# Altium PCB MODULE_4x100_Fx_V1.0.PcbDoc (part 2 of 3) (continued)
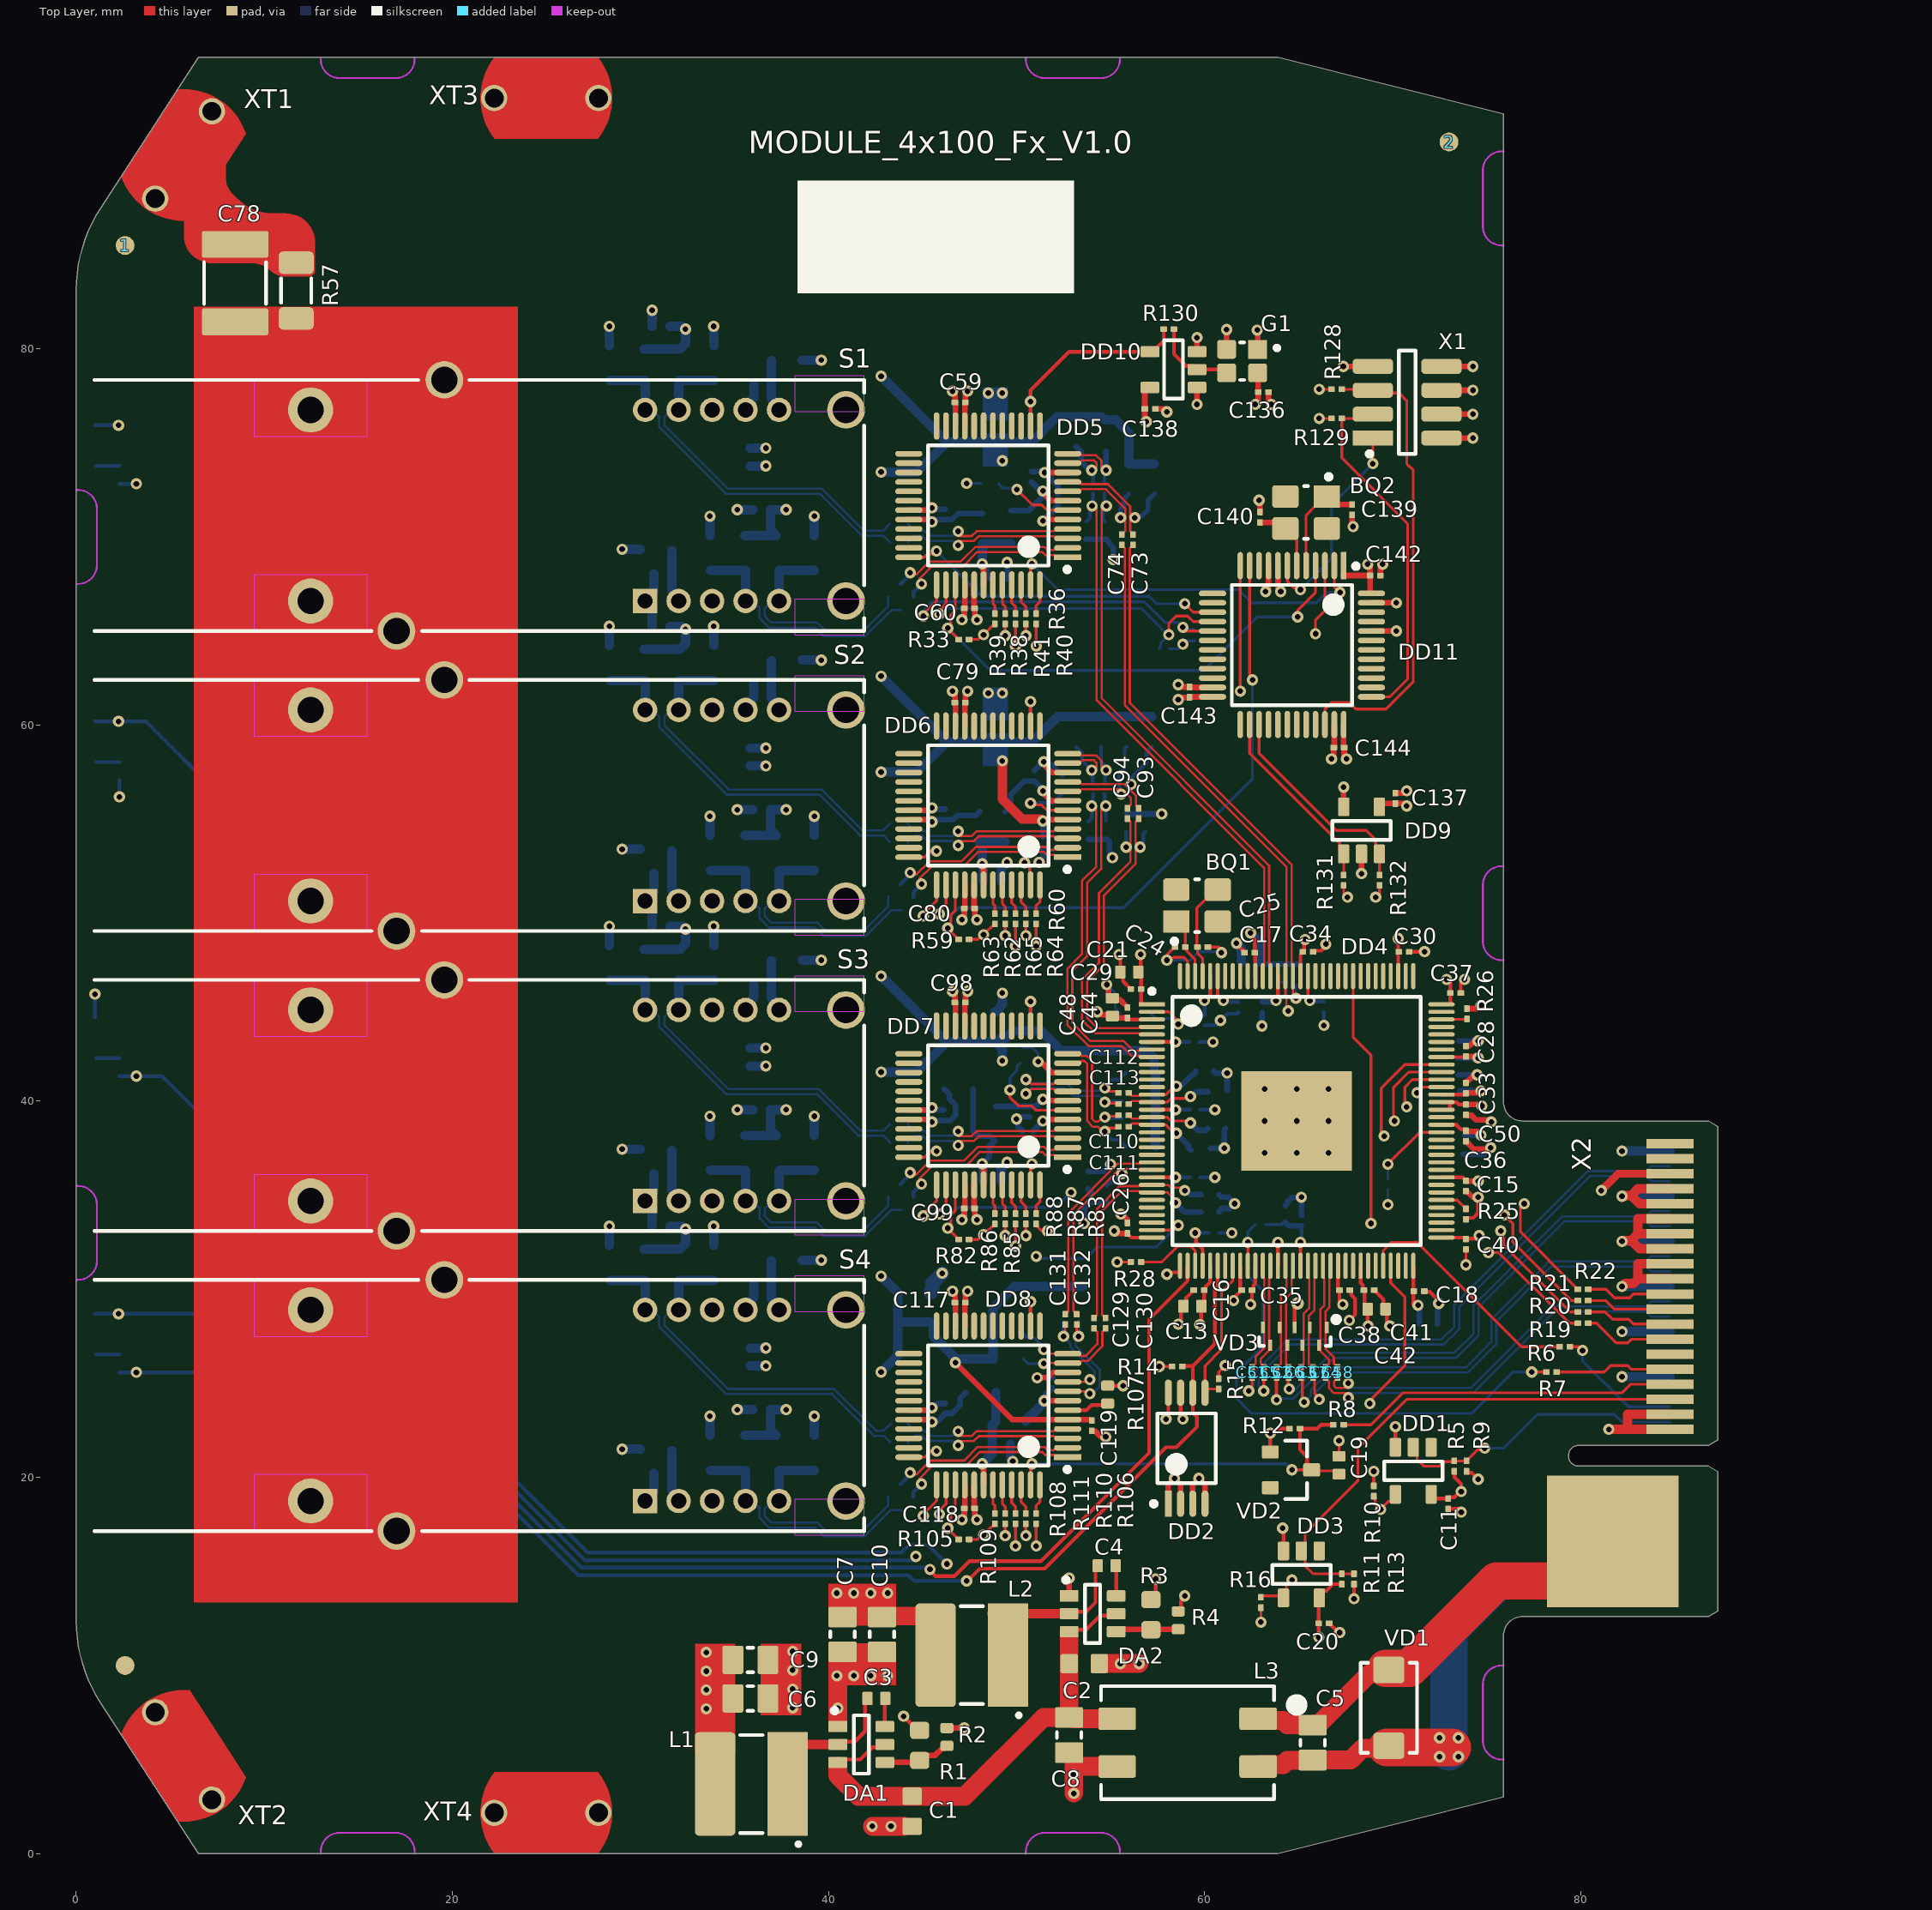
[diagram p0: Top Layer view]
## Nets (pads, with @x,y where several pads share a name; then routed paths per layer and width w, separated by ;. In a path a pad name is that pad's centre, name@x,y a point inside that pad or via, vN(x,y) a via of type N, cw(c..) or ccw(c..) an arc to the next point about the centre after c; other vN are vias at no path point) (continued)
  Top Layer w0.3: DD8.31@44.275,23.575 45.375,23.575 v1(45.5,23.7) ; DD7.31@44.275,39.525 45.375,39.525 v1(45.5,39.65) ; DD6.31@44.275,55.475 45.375,55.475 v1(45.5,55.6) ; DD5.31@44.275,71.425 45.375,71.425 v1(45.5,71.55) ; R2.2@46.3,6.675 v1(47.225,6.675) ; DD8.21@47.25,28.05 C117.1@47.25,29.3 ; DD7.21@47.25,44 C98.1@47.25,45.25 ; DD6.21@47.25,59.95 C79.1@47.25,61.2 ; DD5.21@47.25,75.9 C59.1@47.25,77.15 ; C117.1@47.275,29.3 47.275,29.725 v1@47.4,29.85 ; C98.1@47.275,45.25 47.275,45.675 v1@47.4,45.8 ; C79.1@47.275,61.2 47.275,61.625 v1@47.4,61.75 ; C59.1@47.275,77.15 47.275,77.575 v1@47.4,77.7 ; C118.1@47.75,18.425 DD8.41@47.75,19.6 ; C99.1@47.75,34.375 DD7.41@47.75,35.55 ; C80.1@47.75,50.325 DD6.41@47.75,51.5 ; C60.1@47.75,66.275 DD5.41@47.75,67.45 ; C118.1@47.75,18.35 C118.1@47.75,18.425 ; C99.1@47.75,34.3 C99.1@47.75,34.375 ; C80.1@47.75,50.25 C80.1@47.75,50.325 ; C60.1@47.75,66.2 C60.1@47.75,66.275 ; C118.1@47.775,18.35 47.775,17.925 v1@47.9,17.8 ; C99.1@47.775,34.3 47.775,33.875 v1@47.9,33.75 ; C80.1@47.775,50.25 47.775,49.825 v1@47.9,49.7 ; C60.1@47.775,66.2 47.775,65.775 v1@47.9,65.65 ; v1(51.1,25.3) 51.65,25.3 51.925,25.575 DD8.10@52.725,25.575 ; v1(51.15,42.1) 51.3,42.1 51.875,41.525 DD7.10@52.725,41.525 ; v1(51.45,58.05) 51.45,57.9 51.875,57.475 DD6.10@52.725,57.475 ; v1(51.5,73.425) DD5.10@52.725,73.425 ; DA2.1@52.8,13.7 v1(52.8,14.65) ; C119.1@54,22.475 54,22.45 54.2,22.45 54.5,22.15 v1(54.75,22.15) ; v1(54.8,46.2) 54.9,46.1 54.9,45.675 54.905,45.67 54.905,45.6 55.03,45.475 C48.1@55.1,45.475 ; C48.1@55.05,45.4 55.5,45.4 55.9,45 C44.1@55.9,44.975 ; v1@55.575,34.025 55.9,33.7 C26.2@55.9,33.525 ; C138.1@57.375,76.8 57.85,76.8 v1(58,76.65) ; DD2.1@58.075,18.6 58.075,19.625 v1(58.4,19.95) 58.725,19.625 DD2.2@58.725,18.6 ; v1@58.6,62.1 58.675,62.025 C143.1@59.2,62.025 ; C143.1@59.25,62 DD11.23@60.425,62 ; DD2.3@59.375,18.6 59.375,19.625 v1(59.7,19.95) 60.025,19.625 DD2.4@60.025,18.6 ; DD10.3@59.6,79.85 v1(59.6,80.6) ; G1.2@61.175,79.975 v1(61.175,81.025) ; v1(62.9,71.95) 62.95,71.9 C140.1@62.95,71.325 ; C136.1@63.4,77.7 63.4,77.2 v1(63.55,77.05) ; DD11.8@63.9,68.475 63.9,67.25 v1(64.05,67.1) ; v1@66.8,58.2 66.875,58.275 C144.1@66.875,58.8 ; C144.1@66.9,58.85 DD11.35@66.9,60.025 ; DD9.5@67.4,55.65 v1(67.4,56.7) ; C139.1@67.85,71.175 67.85,70.6 v1(67.9,70.55) ; v1(68.35,52.1) DD9.2@68.35,53.15 ; DD11.44@68.875,65 v1(70.2,65) ; DD11.47@68.875,66.5 v1(70.2,66.5) ; C142.1@69.35,67.95 69.35,68.475 v1@69.425,68.55 ; C137.1@70.15,56.375 70.675,56.375 v1@70.75,56.45 ; X1.2@72.7,75.26 v1(74.27,75.26) ; X1.4@72.7,76.53 v1(74.27,76.53) ; X1.6@72.7,77.8 v1(74.27,77.8) ; C15.1@73.9,35.225 73.9,35.2 73.95,35.2 74.25,34.9 v1(74.55,34.9) ; C36.2@73.9,37.875 73.9,37.85 73.925,37.85 74.325,37.45 v1@75.15,37.45 ; C50.1@73.9,39.275 73.928,39.247 74.203,39.247 74.45,39 v1@75.25,39 ; C33.1@73.9,40.975 73.9,41 73.975,41.075 74,41.075 74.425,41.5 v1@74.6,41.5 ; C28.1@73.9,42.925 73.9,42.95 74.1,42.95 74.35,43.2 v1(74.55,43.2) ; R26.1@73.95,44.925 74.525,44.925 v1(74.7,45.1)
  Top Layer w0.5: v1(81.5,22.55) 82.5,22.55 ; v1(82.2,30.15) 82.366,30.316 82.816,30.316 83.05,30.55 ; v1(82.2,32.55) 82.238,32.588 82.688,32.588 ; v1(82.2,34.95) 82.238,34.988 82.688,34.988 ; X2.1@84.75,22.55 82.5,22.55 ; X2.3@84.75,23.35 82.5,23.35 82.5,22.55 ; X2.21@84.75,30.55 83.05,30.55 ; X2.23@84.75,31.35 83.05,31.35 83.05,30.55 ; X2.25@84.75,32.15 83.127,32.15 82.688,32.588 ; X2.27@84.75,32.95 83.05,32.95 ; X2.29@84.75,33.75 83.05,33.75 83.05,32.95 ; X2.31@84.75,34.55 83.127,34.55 82.688,34.988 ; X2.33@84.75,35.35 83.05,35.35 82.688,34.988 ; 82.688,32.588 83.05,32.95
  Top Layer w1: 40.5,7.05 v1(40.5,7.725) 40.5,9.15 ; v1@42.35,1.45 v1(43.325,1.45) C1.2@44,1.45 ; C8.1@52.8,5.37 53,5.37 53.05,5.32 53.05,4.63 ; v1@53.05,3.22 v1(53.05,4.195) 53.05,4.63 ; C2.2@54.85,10.1 v1(55.525,10.1) v1@56.5,10.1 ; L3.4@55.35,4.63 53.05,4.63
  Bottom Layer w0.15: v1(47.35,72.85) R37.2@48.125,72.85 ; R84.2@50.2,42.975 50.325,42.85 50.85,42.85 51.15,42.55 v1(51.15,42.1) ; v1(54.8,46.2) 55.25,45.75 55.25,44.95 R27.1@55.55,44.65 ; v1(69.75,34.5) R23.2@69.75,35.325
  Bottom Layer w0.2: v1@51.425,58.05 51.502,57.973 51.802,57.973 52.211,57.564 52.211,57.499 52.385,57.325 R61.2@52.45,57.325 ; C43.1@59.725,43.15 v1(60.45,43.15) ; C47.1@59.775,35.95 v1(60.55,35.95) ; C45.1@59.775,39.55 v1@60.45,39.55 ; C46.1@60,44.025 60.025,44.05 60.6,44.05 v1(60.85,44.3) 60.867,44.3 61.217,44.65 61.725,44.65 61.75,44.65 61.8,44.7 C39.1@61.8,44.725 ; v1(66.35,44.03) R24.2@66.35,44.755
  Bottom Layer w0.3: v1(45.5,23.7) 45.581,23.7 45.806,23.925 C127.2@46.2,23.925 ; v1(45.5,39.65) 45.581,39.65 45.691,39.54 46.15,39.54 C108.2@46.15,39.525 ; v1(45.5,55.6) 45.581,55.6 45.656,55.525 C89.2@46.2,55.525 ; v1@45.581,71.55 45.656,71.475 C69.2@46.2,71.475 ; v1(49.5,68.65) 49.525,68.625 C70.1@49.525,67.75 ; v1@50.057,39.026 50.057,38.911 50.081,38.888 50.081,38.644 50.3,38.425 50.3,38.4 C100.1@50.325,38.4 ; v1@50.081,39.05 50.206,39.175 C107.2@50.7,39.175 ; C68.2@50.8,73.475 v1@51.45,73.475 ; C88.2@50.95,57.575 50.95,57.6 50.975,57.6 v1@51.425,58.05 ; v1(51.1,25.3) C126.2@51.9,25.3 ; v1@51.2,52.731 51.4,52.931 C81.1@51.4,53.475 ; v1(51.5,73.425) 52.2,72.725 C61.1@52.2,72.275 ; v1(63.05,44) C49.1@63.05,44.725 ; C141.1@63.925,67.8 63.925,67.306 64.05,67.181 v1(64.05,67.1) ; C22.1@64.3,34.45 64.395,34.545 64.395,34.645 64.634,34.884 65.134,34.884 v1(65.15,34.9) ; C27.1@65.15,33.925 65.15,34.02 v1@65.15,34.8 ; C12.1@72.375,28.15 v1@72.375,29.175 ; C31.1@73.475,41.4 v1(74.5,41.4) ; C23.1@73.525,43.2 v1(74.55,43.2) ; C32.2@73.75,37.175 74.862,37.175 v1(75.217,37.53)
  Bottom Layer w0.5: R114.1@28.35,32.33 v1(28.35,33.35) ; R91.1@28.35,48.28 v1(28.35,49.3) ; R68.1@28.35,64.23 v1(28.35,65.25) ; R44.1@28.35,80.18 v1(28.35,81.2) ; S4.1@30.255,18.745 30.725,19.215 C134.2@30.725,20.2 ; S3.1@30.255,34.695 30.725,35.165 C115.2@30.725,36.15 ; S2.1@30.255,50.645 30.725,51.115 C96.2@30.725,52.1 ; S1.1@30.255,66.595 30.725,67.065 C76.2@30.725,68.05 ; C124.2@30.625,33.35 S3.1@30.625,34.325 ; C106.2@30.625,49.3 S2.1@30.625,50.275 ; C87.2@30.625,65.25 S1.1@30.625,66.225 ; C66.2@30.625,81.2 v1(30.625,82.05) ; R116.1@33.7,22.23 v1(33.7,23.25) ; R93.1@33.7,38.18 v1(33.7,39.2) ; R70.1@33.7,54.13 v1(33.7,55.15) ; R46.1@33.7,70.08 v1(33.7,71.1) ; R119.1@33.9,32.33 v1(33.9,33.35) ; R96.1@33.9,48.28 v1(33.9,49.3) ; R73.1@33.9,64.23 v1(33.9,65.25) ; R49.1@33.9,80.18 v1(33.9,81.2) ; v1(35.15,23.6) C125.2@35.975,23.6 ; v1(35.15,39.55) C105.2@35.975,39.55 ; v1(35.15,55.5) C86.2@35.975,55.5 ; v1(35.15,71.45) C67.2@35.975,71.45 ; S4.7@35.595,28.905 35.595,29.122 36.025,29.552 C135.1@36.025,30.25 ; S3.7@35.595,44.855 35.595,45.072 36.025,45.502 C116.1@36.025,46.2 ; S2.7@35.595,60.805 35.595,61.022 36.025,61.452 C97.1@36.025,62.15 ; S1.7@35.595,76.755 35.595,76.972 36.025,77.402 C77.1@36.025,78.1 ; C133.2@35.85,26.875 v1(36.675,26.875) ; C114.2@35.85,42.825 v1(36.675,42.825) ; C95.2@35.85,58.775 v1(36.675,58.775) ; C75.2@35.85,74.725 v1(36.675,74.725) ; R121.1@39.25,22.23 v1(39.25,23.25) ; R98.1@39.25,38.18 v1(39.25,39.2) ; R75.1@39.25,54.13 v1(39.25,55.15) ; R51.1@39.25,70.08 v1(39.25,71.1) ; C109.1@49.175,35.75 49.175,36.425 v1(49.5,36.75) ; C90.1@49.175,51.7 49.175,52.375 v1(49.5,52.7) ; C128.1@49.675,21.75 49.675,20.975 v1(49.8,20.85) ; v1(61.7,48.4) 61.95,48.15 61.95,47.425 C14.1@61.975,47.4 ; v1(82.2,25.35) X2.10@84.75,25.35 ; v1(82.2,27.75) X2.16@84.75,27.75 ; v1(82.2,30.15) X2.22@84.75,30.15 ; v1(82.2,32.55) X2.28@84.75,32.55 ; v1(82.2,34.95) X2.34@84.75,34.95 ; v1(82.2,37.35) X2.40@84.75,37.35
  other v1: 42.325,1.45 53.05,3.195 38.102,7.748 38.102,8.748 40.45,9.45 41.35,9.45 42.25,9.45 43.15,9.45 38.102,9.748 56.525,10.1 38.102,10.748 58.95,13.7 64.15,17.3 47.9,17.75 67.7,28.35 61.55,29.4 47.4,29.9 47.9,33.7 55.55,34 75.25,38.9 50,39.05 60.55,39.55 47.4,45.85 73.825,46.475 66.45,48.35 47.9,49.65 51.2,52.7 70.75,56.5 66.75,58.2 47.4,61.8 58.6,62.15 47.9,65.6 69.475,68.55 47.4,77.75
  other v2: 63.2,37.25 64.9,37.25 66.6,37.25 63.2,38.95 64.9,38.95 66.6,38.95 63.2,40.65 64.9,40.65 66.6,40.65
INT: R7.2 X2.9 | length 6.3
  Top Layer w0.15: R7.2@78.725,25.6 81.25,25.6 81.6,25.95 82.5,25.95 82.7,25.75 X2.9@84.75,25.75
LED0_A: DD4.36 R17.2 R29.1 R31.1 | length 121.4
  Top Layer w0.2: v1@59.55,32.9 59.55,32.5 59.9,32.15 DD4.36@59.9,31.25
  Int2 (SIG/PWR) w0.2: v1(3.2,41.335) v1(3.2,72.825) ; v1(44.65,15.8) 44.9,16.05 46.75,16.05 47.15,15.65 51.35,15.65 56.35,20.65 56.35,30.35 57.95,31.95 58.45,31.95 v1(59.5,33)
  Bottom Layer w0.2: R31.1@2.3,41.335 v1(3.2,41.335) 4.565,41.335 6.55,39.35 6.55,29.922 14.522,21.95 20.681,21.95 27.031,15.6 v1@44.6,15.6 ; R29.1@2.3,72.825 v1(3.2,72.825) ; v1(59.5,33) R17.2@60.225,33
LED0_C: DD4.33 HL1.C HL2.C | length 121.2
  Top Layer w0.2: v1@58,30.9 DD4.33@58.7,30.9
  Int2 (SIG/PWR) w0.2: v1(2.25,60.197) v1(2.25,75.937) ; v1(46.3,15.4) 46.8,15.4 47,15.2 51.45,15.2 56.75,20.5 56.75,29.55 v1(58,30.8)
  Bottom Layer w0.2: HL2.C@1,60.197 v1(2.25,60.197) 3.703,60.197 7.75,56.15 7.75,29.3 14.7,22.35 20.847,22.35 27.197,16 43.887,16 44.287,16.4 45.3,16.4 v1(46.3,15.4) ; HL1.C@1,75.937 v1(2.25,75.937)
LED1_A: DD2.6 DD4.38 R14.1 R30.1 R32.1 | length 106.8
  Top Layer w0.2: v1@47.45,14.55 48.05,15.15 51.5,15.15 57.95,21.6 58.5,21.6 59.6,22.7 59.6,23.2 59.375,23.425 DD2.6@59.375,24.5 59.375,25.925 ; R14.1@58.825,25.9 58.85,25.925 59.375,25.925 ; DD4.38@60.7,31.25 60.7,30.2 60.55,30.05 60.55,27.1 59.375,25.925
  Int2 (SIG/PWR) w0.2: v1(2.3,56.185) 2.3,30.3 3.2,29.4 v1(3.2,25.585)
  Bottom Layer w0.2: R32.1@2.3,25.585 v1(3.2,25.585) 9.755,25.585 14.19,21.15 20.35,21.15 26.7,14.8 44.25,14.8 44.55,14.5 v1(47.35,14.5) ; v1(2.3,56.185) R30.1@2.3,57.085
LED1_C: DD4.34 HL3.C HL4.C | length 94.1
  Top Layer w0.2: v1@45.4,15.05 45.698,14.752 46.702,14.752 47.5,15.55 51.3,15.55 57.05,21.3 57.05,28.4 59.1,30.45 DD4.34@59.1,31.25
  Int2 (SIG/PWR) w0.2: v1(1,45.697) 1,35.9 1.65,35.25 1.65,30 2.25,29.4 v1(2.25,28.697)
  Bottom Layer w0.2: HL4.C@1,28.697 v1(2.25,28.697) 7.209,28.697 14.356,21.55 20.516,21.55 26.866,15.2 45.308,15.2 v1(45.4,15.108) ; HL3.C@1,44.447 v1(1,45.697)
MCU_RESET: DD11.7 X1.1 | length 11.3
  Top Layer w0.15: DD11.7@64.4,68.475 64.4,67.65 64.75,67.3 v1@65.1,67.3 ; v1(68.95,73.9) X1.1@68.95,75.26
  Bottom Layer w0.15: v1(65.1,67.2) 66.75,68.85 66.75,71.7 v1(68.95,73.9)
MCU_SCL: DD9.1 DD11.26 R131.1 | length 10.1
  Top Layer w0.15: DD11.26@62.4,60.025 62.4,58.5 67.188,53.712 67.188,53.362 DD9.1@67.4,53.15 R131.1@67.4,52.025
MCU_SDA: DD9.3 DD11.27 R132.1 | length 11.6
  Top Layer w0.15: DD11.27@62.9,60.025 62.9,58.5 67,54.4 68.6,54.4 69.1,53.9 69.1,53.35 DD9.3@69.3,53.15 R132.1@69.3,52.025
MCU_SWC: DD11.37 R129.2 X1.3 | length 19.4
  Top Layer w0.15: DD11.37@68.875,61.5 69.85,61.5 70.8,62.45 70.8,70.7 67.3,74.2 R129.2@67.3,76.3 X1.3@69.05,76.3
MCU_SWD: DD11.34 R128.2 X1.5 | length 25.6
  Top Layer w0.15: DD11.34@66.4,60.025 66.4,60.85 66.75,61.2 67.7,61.2 68.05,60.85 69.65,60.85 71.1,62.3 71.1,73.55 70.75,73.9 70.75,77.25 70.35,77.65 X1.5@68.55,77.65 ; R128.2@67.2,77.85 X1.5@68.9,77.85
MDC: DD1.4 DD4.61 R10.1 | length 16.7
  Top Layer w0.15: v1@68.85,23.85 68.85,24.15 70.65,25.95 70.65,29.6 69.9,30.35 DD4.61@69.9,31.25 ; R10.1@69,19 69,18.975 69.075,18.9 69.075,18.581 v1(69.362,18.294) 69.362,18.312 69.763,18.713 69.925,18.713 70.15,18.938 DD1.4@70.15,19.1
  Int2 (SIG/PWR) w0.15: v1(68.786,23.927) 68.786,22.314 69.75,21.35 69.75,18.65 v1@69.4,18.3
MDC_CPU: DD1.2 R5.1 R9.1 X2.4 | length 15.6
  Top Layer w0.15: DD1.2@71.1,21.6 71.3,21.4 71.3,20.95 71.65,20.6 72.5,20.6 72.743,20.843 73.248,20.843 R5.1@73.28,20.875 R9.1@73.93,20.875 73.93,20.9 74.005,20.975 74.03,20.975 74.531,21.476 74.826,21.476 v1(74.9,21.55)
  Bottom Layer w0.15: v1(74.9,21.55) 75.9,21.55 77.7,23.35 81.8,23.35 82.2,22.95 X2.4@84.75,22.95
MDIO: DD4.60 R6.1 | length 12.7
  Top Layer w0.15: DD4.60@69.5,31.25 69.5,32.05 69.95,32.5 71.3,32.5 76.85,26.95 R6.1@78.875,26.95
MDIO_CPU: R6.2 X2.6 | length 7
  Top Layer w0.15: R6.2@79.425,26.95 79.9,26.95 v1(80.1,26.75)
  Bottom Layer w0.15: v1(80.1,26.75) 80.1,26.2 82.55,23.75 X2.6@84.75,23.75
NetBQ1_1: BQ1.1 C24.2 DD4.126 | length 3.3
  Top Layer w0.15: BQ1.1@58.5,49.55 58.975,49.075 C24.2@58.975,48.2 59.05,48.125 59.05,48 59.487,47.563 59.487,46.663 DD4.126@59.5,46.65
NetBQ1_3: BQ1.3 C25.2 DD4.125 | length 5.3
  Top Layer w0.15: C25.2@59.6,48.225 59.6,50.279 60.121,50.8 60.121,50.971 BQ1.3@60.6,51.45 ; C25.2@59.625,48.2 59.625,47.875 59.9,47.6 DD4.125@59.9,46.65
NetBQ2_1: BQ2.1 C139.2 DD11.5 | length 5.1
  Top Layer w0.15: DD11.5@65.4,68.475 65.4,71.15 65.875,71.625 65.975,71.625 BQ2.1@66.5,72.15
  Top Layer w0.3: BQ2.1@66.925,71.725 C139.2@67.85,71.725
NetBQ2_3: BQ2.3 C140.2 DD11.6 | length 3.3
  Top Layer w0.15: BQ2.3@64.3,70.45 64.359,70.45 64.9,69.909 DD11.6@64.9,68.475
  Top Layer w0.3: C140.2@62.95,70.775 BQ2.3@63.975,70.775
NetC1_1: C1.1 C2.1 C8.2 DA1.3 DA1.5 DA2.3 DA2.5 L3.3 | length 28.1
  Top Layer w0.2: DA1.3@40.5,4.85 40.65,5 41.7,5 42.36,5.66 42.86,5.66 DA1.5@43,5.8 ; DA2.3@52.8,11.8 52.9,11.9 53.7,11.9 54.45,12.65 55.2,12.65 DA2.5@55.3,12.75
  Top Layer w1: DA1.3@40.5,4.65 40.5,4.15 41.6,3.05 C1.1@44.45,3.05 47.25,3.05 51.43,7.23 C8.2@52.8,7.23 C2.1@52.8,10.45 ; C2.1@52.8,9.9 DA2.3@52.8,11.6 ; C8.2@53,7.23 53.06,7.17 L3.3@55.35,7.17
NetC3_1: C3.1 DA1.2 L1.1 | length 6.2
  Top Layer w0.2: DA1.2@40.5,5.8 40.65,5.95 41.4,5.95 41.95,6.5 C3.1@41.95,8.125
  Top Layer w0.5: L1.1@37.7,5.8 DA1.2@40.5,5.8
NetC3_2: C3.2 DA1.6 | length 1.5
  Top Layer w0.2: DA1.6@43,6.75 43,8.225 C3.2@43.025,8.25
NetC4_1: C4.1 DA2.2 L2.1 | length 7.8
  Top Layer w0.2: DA2.2@52.8,12.75 52.9,12.85 53.7,12.85 54.2,13.35 54.2,15.175 C4.1@54.325,15.3
  Top Layer w0.5: L2.1@48.675,12.75 DA2.2@52.8,12.75
NetC4_2: C4.2 DA2.6 | length 1.6
  Top Layer w0.2: DA2.6@55.3,13.7 C4.2@55.3,15.275
NetC24_1: C24.1 C25.1 DD4.127 | length 6.4
  Top Layer w0.15: C24.1@58.425,48.2 58.4,48.2 58.325,48.125 58.325,48.1 58,47.775 v1(58,47.5) 58.105,47.605 58.318,47.605 58.363,47.65 58.9,47.65 59.1,47.45 DD4.127@59.1,46.65 ; C25.1@60.175,48.2 60.75,48.2
  Bottom Layer w0.15: v1(58,47.5) 59.25,47.5 59.7,47.95 v1@60.7,47.95
  other v1: 60.9,47.9
NetC62_1: C62.1 R48.1 R49.2 S1.9 | length 19.2
  Bottom Layer w0.119: S1.9@32.035,76.755 31.657,76.755 31.272,76.37 31.272,75.948 34.652,72.568 39.652,72.568 41.889,70.331 42.906,70.331 C62.1@43.275,70.7
  Bottom Layer w0.5: S1.9@32.035,76.755 R48.1@32.035,78.305 ; R48.1@32.05,78.32 R49.2@33.9,78.32
NetC63_1: C63.1 R43.1 R44.2 S1.10 | length 19.7
  Bottom Layer w0.119: S1.10@30.255,76.755 30.618,76.755 31.004,76.37 31.004,75.837 34.541,72.3 39.541,72.3 41.778,70.063 42.912,70.063 C63.1@43.275,69.7
  Bottom Layer w0.5: R44.2@28.39,78.32 R43.1@30.24,78.32 ; S1.10@30.255,76.755 R43.1@30.255,78.305
NetC64_1: C64.1 R50.1 R51.2 S1.5 | length 12.8
  Bottom Layer w0.119: S1.5@37.375,66.595 36.997,66.595 36.612,66.21 36.612,65.788 36.95,65.45 39.4,65.45 39.85,65 41.858,65 43.173,66.315 C64.1@43.173,66.823
  Bottom Layer w0.5: S1.5@37.375,66.595 37.375,68.195 R50.1@37.4,68.22 R51.2@39.25,68.22
NetC65_1: C65.1 R45.1 R46.2 S1.4 | length 13.4
  Bottom Layer w0.119: S1.4@35.595,66.595 35.958,66.595 36.344,66.21 36.344,65.677 36.839,65.182 39.289,65.182 39.739,64.732 41.969,64.732 43.352,66.116 C65.1@43.88,66.116
  Bottom Layer w0.5: R46.2@33.72,68.22 35.57,68.22 35.595,68.195 S1.4@35.595,66.595
NetC68_1: C68.1 DD5.7 L6.1 | length 4.7
  Top Layer w0.3: v1@51.4,72.55 v1(51.4,72.45) 51.4,72.35 51.825,71.925 DD5.7@52.725,71.925
  Bottom Layer w0.3: L6.1@49.7,71.4 50.65,71.4 51.381,72.131 51.381,72.431 v1(51.4,72.45) ; C68.1@50.8,72.925 50.8,72.9 50.825,72.9 51.218,72.507 v1@51.343,72.507
NetC69_1: C69.1 DD5.32 L5.1 | length 4.2
  Top Layer w0.3: DD5.32@44.275,70.925 45.375,70.925 v1(45.5,70.8)
  Bottom Layer w0.3: v1(45.5,70.8) 45.581,70.8 45.706,70.925 C69.1@46.2,70.925 46.566,70.925 46.891,71.25 L5.1@48.2,71.25
NetC70_2: C70.2 DD5.42 L5.2 L6.2 | length 4.7
  Top Layer w0.3: v1(48.175,68.575) 48.25,68.5 DD5.42@48.25,67.45
  Bottom Layer w0.3: v1(48.175,68.575) 48.175,68.524 48.45,68.249 48.45,67.875 C70.2@48.575,67.75
  Bottom Layer w0.5: v1(48.175,68.575) 48.175,69.625 L5.2@48.2,69.65 L6.2@49.7,69.65
NetC76_1: C76.1 L7.1 S1.2 | length 2.6
  Bottom Layer w0.5: L7.1@31.675,69.275 C76.1@31.675,68.05 31.675,67.172 S1.2@32.035,66.812
NetC77_2: C77.2 L8.1 S1.6 | length 2.6
  Bottom Layer w0.5: L8.1@36.975,79.375 C77.2@36.975,78.1 36.975,77.372 S1.6@37.375,76.972
NetC82_1: C82.1 R72.1 R73.2 S2.9 | length 19.2
  Bottom Layer w0.119: S2.9@32.035,60.805 31.657,60.805 31.272,60.42 31.272,59.998 34.702,56.568 39.628,56.568 41.796,54.4 42.925,54.4 C82.1@43.275,54.75
  Bottom Layer w0.5: S2.9@32.035,60.805 R72.1@32.035,62.355 ; R72.1@32.05,62.37 R73.2@33.9,62.37
NetC83_1: C83.1 R67.1 R68.2 S2.10 | length 19.6
  Bottom Layer w0.119: S2.10@30.255,60.805 30.618,60.805 31.004,60.42 31.004,59.887 34.591,56.3 39.517,56.3 41.685,54.132 42.929,54.132 C83.1@43.267,53.794
  Bottom Layer w0.5: R68.2@28.39,62.37 R67.1@30.24,62.37 ; S2.10@30.255,60.805 R67.1@30.255,62.355
NetC84_1: C84.1 R74.1 R75.2 S2.5 | length 12.8
  Bottom Layer w0.119: S2.5@37.375,50.645 36.997,50.645 36.612,50.26 36.612,49.838 36.95,49.5 39.4,49.5 39.85,49.05 41.875,49.05 43.173,50.348 C84.1@43.173,50.873
  Bottom Layer w0.5: S2.5@37.375,50.645 37.375,52.245 R74.1@37.4,52.27 R75.2@39.25,52.27
NetC85_1: C85.1 R69.1 R70.2 S2.4 | length 13.4
  Bottom Layer w0.119: S2.4@35.595,50.645 35.958,50.645 36.344,50.26 36.344,49.727 36.839,49.232 39.289,49.232 39.739,48.782 41.986,48.782 43.37,50.166 C85.1@43.88,50.166
  Bottom Layer w0.5: R70.2@33.72,52.27 35.57,52.27 35.595,52.245 S2.4@35.595,50.645
NetC88_1: C88.1 DD6.7 L11.1 | length 4.9
  Top Layer w0.3: v1@51.4,56.6 v1(51.4,56.5) 51.4,56.4 51.825,55.975 DD6.7@52.725,55.975
  Bottom Layer w0.3: L11.1@49.4,55.4 49.7,55.7 49.7,56.3 50.425,57.025 C88.1@50.95,57.025 50.95,57 50.975,57 v1@51.4,56.575
NetC89_1: C89.1 DD6.32 L10.1 | length 4
  Top Layer w0.3: DD6.32@44.275,54.975 45.375,54.975 v1(45.5,54.85)
  Bottom Layer w0.3: v1@45.581,54.85 45.706,54.975 C89.1@46.2,54.975 46.625,54.975 46.85,55.2 47.85,55.2 L10.1@48.05,55.4
NetC90_2: C90.2 DD6.42 L10.2 L11.2 | length 4.7
  Top Layer w0.3: v1(48.175,52.625) 48.25,52.55 DD6.42@48.25,51.5
  Bottom Layer w0.5: C90.2@48.225,51.7 48.225,52.548 48.175,52.598 v1(48.175,52.625) 48.175,53.675 L10.2@48.05,53.8 L11.2@49.4,53.8
NetC96_1: C96.1 L12.1 S2.2 | length 2.6
  Bottom Layer w0.5: L12.1@31.675,53.325 C96.1@31.675,52.1 31.675,51.222 S2.2@32.035,50.862
NetC97_2: C97.2 L13.1 S2.6 | length 2.6
  Bottom Layer w0.5: L13.1@36.975,63.425 C97.2@36.975,62.15 36.975,61.422 S2.6@37.375,61.022
NetC101_1: C101.1 R95.1 R96.2 S3.9 | length 19.2
  Bottom Layer w0.119: S3.9@32.035,44.855 31.657,44.855 31.272,44.47 31.272,44.048 34.67,40.65 39.482,40.65 41.699,38.434 42.909,38.434 C101.1@43.275,38.8
  Bottom Layer w0.5: S3.9@32.035,44.855 R95.1@32.035,46.405 ; R95.1@32.05,46.42 R96.2@33.9,46.42
NetC102_1: C102.1 R90.1 R91.2 S3.10 | length 19.7
  Bottom Layer w0.119: S3.10@30.255,44.855 30.618,44.855 31.004,44.47 31.004,43.937 34.559,40.382 39.371,40.382 41.588,38.166 42.909,38.166 C102.1@43.275,37.8
  Bottom Layer w0.5: R91.2@28.39,46.42 R90.1@30.24,46.42 ; S3.10@30.255,44.855 R90.1@30.255,46.405
NetC103_1: C103.1 R97.1 R98.2 S3.5 | length 12.8
  Bottom Layer w0.119: S3.5@37.375,34.695 36.997,34.695 36.612,34.31 36.612,33.888 36.95,33.55 39.4,33.55 39.85,33.1 41.828,33.1 43.173,34.444 C103.1@43.173,34.923
  Bottom Layer w0.5: S3.5@37.375,34.695 37.375,36.295 R97.1@37.4,36.32 R98.2@39.25,36.32
NetC104_1: C104.1 R92.1 R93.2 S3.4 | length 13.4
  Bottom Layer w0.119: S3.4@35.595,34.695 35.958,34.695 36.344,34.31 36.344,33.777 36.839,33.282 39.289,33.282 39.739,32.832 41.939,32.832 43.323,34.216 C104.1@43.88,34.216
  Bottom Layer w0.5: R93.2@33.72,36.32 35.57,36.32 35.595,36.295 S3.4@35.595,34.695
NetC107_1: C107.1 DD7.7 L16.1 | length 4
  Top Layer w0.3: v1(51.4,40.1) 51.475,40.025 DD7.7@52.725,40.025
  Bottom Layer w0.3: L16.1@48.9,39.725 C107.1@50.7,39.725 50.7,39.734 51.034,39.734 v1(51.4,40.1)
NetC108_1: C108.1 DD7.32 L15.1 | length 4.2
  Top Layer w0.3: DD7.32@44.275,39.025 45.375,39.025 v1(45.5,38.9)
  Bottom Layer w0.3: v1@45.581,38.9 45.656,38.975 C108.1@46.15,38.975 46.15,38.984 46.484,38.984 46.75,39.25 46.75,39.806 46.439,40.117 46.439,40.361 L15.1@46.15,40.65
NetC109_2: C109.2 DD7.42 L15.2 L16.2 | length 7.2
  Top Layer w0.3: v1(48.175,36.675) 48.25,36.6 DD7.42@48.25,35.55
  Bottom Layer w0.3: L15.2@47.7,40.65 47.7,38.4 47.95,38.15 48.6,38.15 L16.2@48.85,37.9 48.55,37.6 48.55,37.05 v1(48.175,36.675)
  Bottom Layer w0.5: v1(48.175,36.675) 48.175,36.648 48.225,36.598 C109.2@48.225,35.75
NetC115_1: C115.1 L17.1 S3.2 | length 2.6
  Bottom Layer w0.5: L17.1@31.675,37.375 C115.1@31.675,36.15 31.675,35.272 S3.2@32.035,34.912
NetC116_2: C116.2 L18.1 S3.6 | length 2.6
  Bottom Layer w0.5: L18.1@36.975,47.475 C116.2@36.975,46.2 36.975,45.472 S3.6@37.375,45.072
NetC120_1: C120.1 R118.1 R119.2 S4.9 | length 19.2
  Bottom Layer w0.119: S4.9@32.035,28.905 31.657,28.905 31.272,28.52 31.272,28.098 34.67,24.7 40.3,24.7 42.52,22.48 42.941,22.48 43.293,22.832 C120.1@43.297,22.837
  Bottom Layer w0.5: S4.9@32.035,28.905 R118.1@32.035,30.455 ; R118.1@32.05,30.47 R119.2@33.9,30.47
NetC121_1: C121.1 R113.1 R114.2 S4.10 | length 19.7
  Bottom Layer w0.119: S4.10@30.255,28.905 30.618,28.905 31.004,28.52 31.004,27.987 34.559,24.432 40.189,24.432 42.409,22.212 42.933,22.212 C121.1@43.281,21.865
  Bottom Layer w0.5: R114.2@28.39,30.47 R113.1@30.24,30.47 ; S4.10@30.255,28.905 R113.1@30.255,30.455
NetC122_1: C122.1 R120.1 R121.2 S4.5 | length 12.8
  Bottom Layer w0.119: S4.5@37.375,18.745 36.997,18.745 36.612,18.36 36.612,17.938 36.95,17.6 39.4,17.6 39.85,17.15 41.828,17.15 43.173,18.495 C122.1@43.173,18.973
  Bottom Layer w0.5: S4.5@37.375,18.745 37.375,20.345 R120.1@37.4,20.37 R121.2@39.25,20.37
NetC123_1: C123.1 R115.1 R116.2 S4.4 | length 13.4
  Bottom Layer w0.119: S4.4@35.595,18.745 35.958,18.745 36.344,18.36 36.344,17.827 36.839,17.332 39.289,17.332 39.739,16.882 41.939,16.882 43.322,18.266 C123.1@43.88,18.266
  Bottom Layer w0.5: R116.2@33.72,20.37 35.57,20.37 35.595,20.345 S4.4@35.595,18.745
NetC126_1: C126.1 DD8.7 L21.1 | length 3.6
  Top Layer w0.3: v1(51.475,24.075) DD8.7@52.725,24.075
  Bottom Layer w0.3: v1@51.532,24.132 51.532,24.382 51.875,24.725 51.9,24.725 C126.1@51.9,24.75
  Bottom Layer w0.5: L21.1@50.5,23 50.5,23.05 50.71,23.26 50.76,23.26 51.532,24.032 v1@51.532,24.132
NetC127_1: C127.1 DD8.32 L20.1 | length 4
  Top Layer w0.3: DD8.32@44.275,23.075 45.375,23.075 v1(45.5,22.95)
  Bottom Layer w0.3: v1(45.5,22.95) 45.557,23.007 45.832,23.007 46.175,23.35 46.2,23.35 C127.1@46.2,23.375 46.2,23.4 46.563,23.4 47.011,23.849 47.011,24.211 L20.1@47.3,24.5
NetC128_2: C128.2 DD8.42 L20.2 L21.2 | length 5.2
  Top Layer w0.3: v1(48.175,20.725) 48.25,20.65 DD8.42@48.25,19.6
  Bottom Layer w0.5: v1(48.175,20.725) 48.7,21.25 48.7,22.8 L21.2@48.9,23 L20.2@48.9,24.5
NetC134_1: C134.1 L22.1 S4.2 | length 2.6
  Bottom Layer w0.5: L22.1@31.675,21.425 C134.1@31.675,20.2 31.675,19.322 S4.2@32.035,18.962
NetC135_2: C135.2 L23.1 S4.6 | length 2.6
  Bottom Layer w0.5: L23.1@36.975,31.525 C135.2@36.975,30.25 36.975,29.522 S4.6@37.375,29.122
NetDA1_4: DA1.4 R1.1 R2.1 | length 3.7
  Top Layer w0.3: DA1.4@43,4.85 44.75,4.85 R1.1@44.85,4.95 45.126,5.226 45.676,5.226 46.05,5.6 46.175,5.6 R2.1@46.3,5.725
NetDA2_4: DA2.4 R3.1 R4.1 | length 3.4
  Top Layer w0.3: DA2.4@55.3,11.8 55.425,11.925 R4.1@58.6,11.925
NetDD2_5: DD2.5 DD4.40 R15.1 | length 8
  Top Layer w0.15: DD2.5@60.025,24.5 60.025,25.925 60.9,26.8 60.9,29.85 61.5,30.45 DD4.40@61.5,31.25 ; DD2.5@60.075,24.7 R15.1@60.75,24.7
NetDD3_4: DD3.4 DD4.105 R16.1 | length 38.1
  Top Layer w0.15: R16.1@62.925,13.7 64.09,13.7 DD3.4@64.2,13.59 64.35,13.74 64.35,14.25 v1(64.65,14.55) ; DD4.105@67.9,46.65 67.9,43.4 68.85,42.45 v1(68.85,33.5)
  Int2 (SIG/PWR) w0.15: v1(64.65,14.55) 68.25,18.15 68.25,24.2 70.6,26.55 70.6,31.75 v1(68.85,33.5)
NetDD4_2: DD4.2 R27.2 | length 3.4
  Top Layer w0.15: DD4.2@57.2,44.75 58.1,44.75 58.6,44.25 v1(58.6,44.1)
  Bottom Layer w0.15: R27.2@57.15,44.65 57.4,44.4 58.237,44.4 58.537,44.1 v1(58.6,44.1)
NetDD4_35: DD4.35 R28.1 | length 4.1
  Top Layer w0.15: R28.1@56.65,31.45 57.733,31.45 58.582,32.3 59.25,32.3 59.5,32.05 DD4.35@59.5,31.25
NetDD4_70: DD4.70 R25.2 | length 1.5
  Top Layer w0.15: DD4.70@72.6,34.75 73.425,34.75 73.8,34.375 73.825,34.375 R25.2@73.9,34.3
NetDD4_79: DD4.79 R23.1 | length 4.3
  Top Layer w0.15: v1(69.75,36.65) 71.45,38.35 DD4.79@72.6,38.35
  Bottom Layer w0.15: R23.1@69.75,35.875 v1(69.75,36.65)
NetDD4_85: DD4.85 R22.2 | length 15.6
  Top Layer w0.15: v1(71.3,40.45) 71.6,40.75 DD4.85@72.6,40.75 ; v1(77,34.55) 76.8,34.35 76.8,33.05 79.75,30.1 79.75,30.075 79.825,30 R22.2@79.85,30
  Int2 (SIG/PWR) w0.15: v1(71.3,40.45) 71.35,40.45 77,34.8 v1(77,34.55)